# Allegro board FEMA_B40_V0P2.brd (continued)
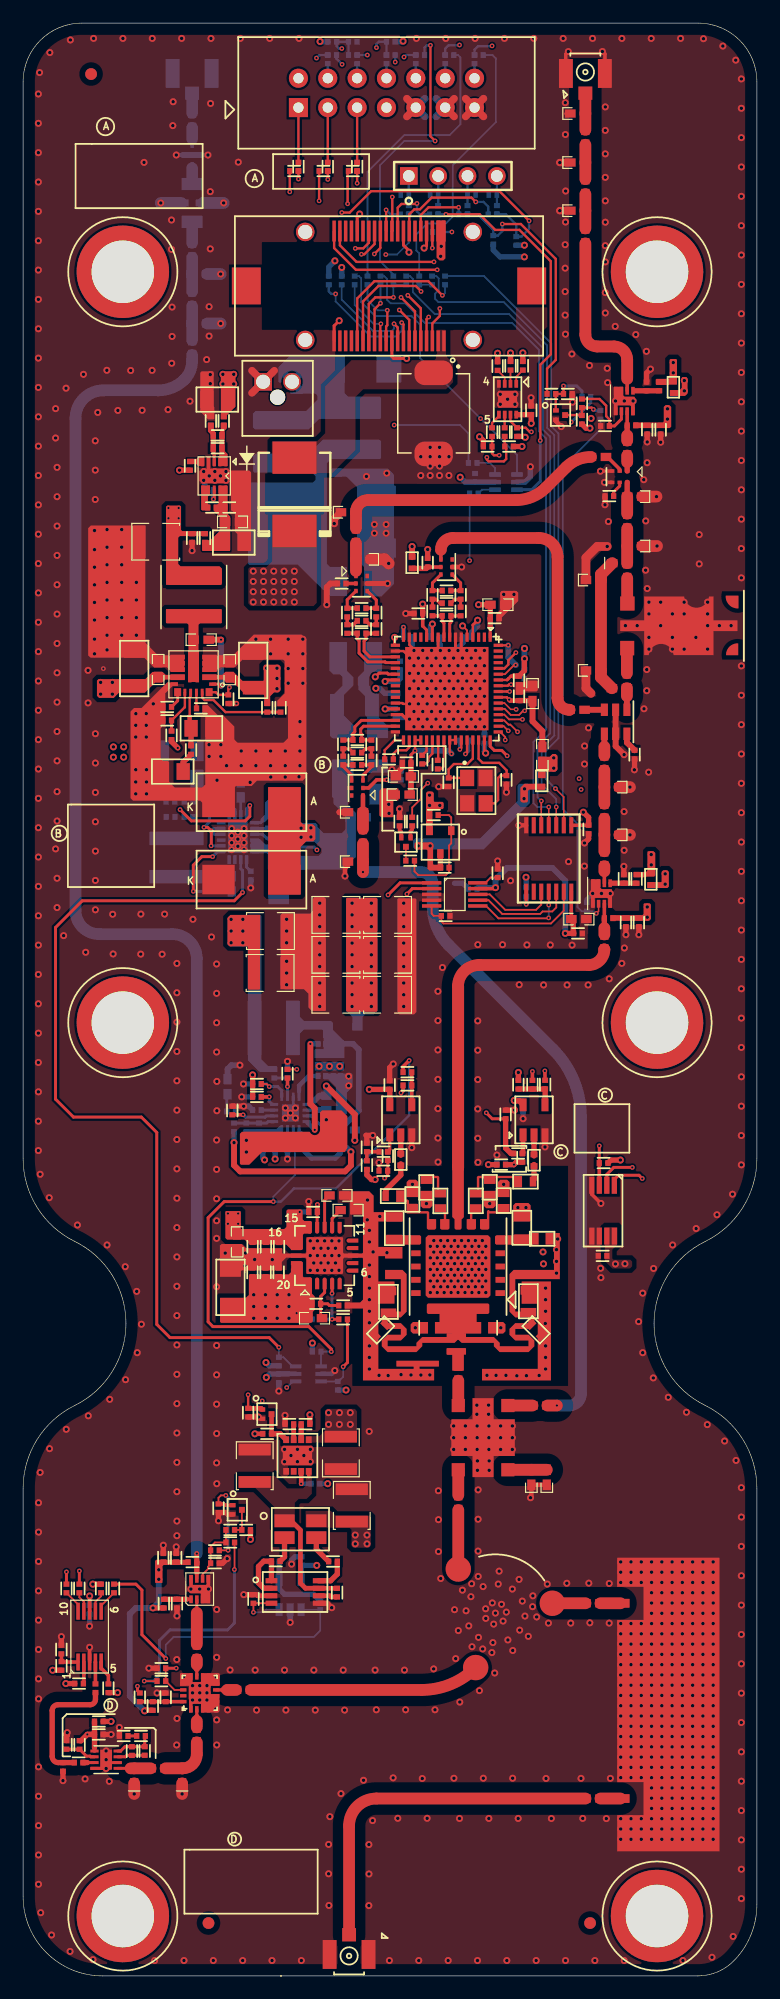
[diagram p0: board, top side]
## Routing (per net, layer and track width the routed paths; a pad name or vN(x,y) marks a point on that pad's centre or on a via; arc(x,y) is an arc through that point) (continued)
TX_DRI_EN: length 46.9
  TOP w0.127: v1(49.61,91.95) 49.8,92.15 U60.6
  BOTTOM w0.127: C68.1 49.42,92.14 v1(49.61,91.95)
  BOTTOM w0.152: C68.1 48.34,92.14 47.98,92.5 47.98,99.71 46.71,100.98 46.71,130.59 49.96,133.84 R40.2
TX_DRI_VBIAS: length 2.3
  TOP w0.305: U60.1 50.91,94.56
  TOP w0.457: 50.91,94.56 C64.1 R42.2
TX_DRIVER_IN: length 2.8
  TOP w1.016: C66.2 R51.2 R45.2
TX_DRIVER_IN_C: length 1.5
  TOP w0.305: 50.3,95.6 U60.2
  TOP w1.016: C66.1 50.3,95.6
TX_DRIVER_OUT: length 2.7
  TOP w0.305: U60.7 L6.2
  TOP w0.457: L6.2 50.3,90.67
  TOP w1.016: 50.3,90.67 C65.2
TX_PA_IN: length 30.2
  TOP w1.016: 50.28,88.83 C65.1 arc(49.91,87.88) 48.96,87.49 39.47,87.49 arc(38.18,86.95) 37.64,85.65
  TOP w1.04: 37.64,85.65 37.64,69.94
TX_PA_RFPAL_OUT: length 26.3
  TOP w0.305: 36.15,123.42 T1.1
  TOP w1.016: C69.1 47.26,109.57 arc(46.54,109.87) 46.25,110.59 46.25,122.83 arc(45.77,123.97) 44.63,124.44 37.17,124.44 arc(36.45,124.14) 36.15,123.42
TX_PA_RFPAL_OUT_C: length 1.7
  TOP w0.508: C69.2 U32.3
TX_PREDRI_OUT: length 2.5
  TOP w0.305: U28.7 L5.2
  TOP w0.457: L5.2 52.28,133.31
  TOP w1.016: 52.28,133.31 C57.1
TX_PREDRI_OUT_C: length 1.3
  TOP w0.457: 52.28,131.01 U29.1
  TOP w1.016: C57.2 52.28,131.01
TX_PREDRI_VBIAS: length 2.3
  TOP w0.254: U28.1 52.95,137.18
  TOP w0.457: R33.1 C54.1 52.95,137.18
TX_PREDRI_VOUT:
  vias: v2(55.76,135.62) v2(55.76,134.73) v2(56.26,139.62) v2(56.26,138.73)
TX_PREDRV_EN: length 6.2
  TOP w0.203: C60.1 50.73,134.71 50.46,134.99 50.46,135.89 49.88,136.47 R39.2
  TOP w0.254: C60.1 51.18,134.13 51.78,134.73 U28.6
TX_RF_ENB: length 22.7
  TOP w0.203: v1(41.47,151.61) 43.07,151.61 46.1,148.59 46.1,139.85 45.34,139.1 R354.1
  BOTTOM w0.203: v1(41.47,151.61) 41.47,151 41.08,150.61 R268.2 40.69,151.1 39.34,152.45 R362.2
TX_RFPAL_ENB: length 56
  TOP w0.152: R121.1 33.67,101.12 34.42,101.87 34.42,102.63 v1(35.02,103.22)
  TOP w0.203: J1.9 32.41,142.66 v1(32.1,142.98)
  L3-SIG1 w0.203: v1(32.1,142.98) 29.1,139.98 29.1,109.14 v1(35.02,103.22)
  BOTTOM w0.152: R267.2 27.57,145.07 30.27,142.37 31.9,142.37 32.1,142.57 v1(32.1,142.98)
VDS_PA1: length 0.8
  TOP w0.394: C82.1 37.08,55.34 C76.1
  vias: v2(28.74,38.15) v2(28.74,37.39) v2(29.76,38.15) v2(29.76,37.39) v2(46.16,62.85) v2(46.16,61.84) v2(46.16,60.82) v2(46.26,63.77)
VGS_CARR_FIXED: length 2.3
  TOP w0.457: R275.1 42.69,70.43 v1(42.48,70.22) 42.47,70.21 R271.2
  BOTTOM w0.457: v1(42.48,70.22) 42.47,70.21 R271.2
VGS_PEAK_FIXED: length 1.9
  TOP w0.305: R276.1 R274.1 29.75,70.55 R273.2
WP_CAL: length 28.4
  TOP w0.203: U79.7 42.18,134.55 R67.2 43.49,133.98 43.84,133.63 v1(43.98,133.63)
  L4-SIG2 w0.203: v1(37.1,150.93) 37.1,149.33 38.96,147.47 44.44,147.47 45.13,146.79 45.13,134.14 44.62,133.63 v1(43.98,133.63)
  BOTTOM w0.203: R156.1 v1(37.1,150.93)
N07470: length 2.8
  TOP w0.254: T3.1 28.8,121.59
  TOP w1.016: R116.1 R117.2 28.8,121.59
N07551: length 2.9
  TOP w0.394: R106.2 T2.1
  TOP w1.016: R105.1 R106.2
N23833: length 1.6
  TOP w0.26: R110.2 L8.1 29.63,106.2 C134.1
N23837: length 1.6
  TOP w0.26: R112.2 L12.1 28.2,106.2 28.54,105.87 C134.2
N23925: length 2.5
  TOP w0.26: C133.2 27.71,104.8 R112.1 27.7,104.65 28.43,103.92 T2.4
N23932: length 2.5
  TOP w0.26: T2.3 29.41,103.91 30.14,104.64 R110.1 29.3,104.81 C133.1
N24699: length 2.7
  TOP w0.26: R114.1 28.05,119.1 T3.3
  TOP w0.305: R114.1 28.05,118.37 C141.1
N24715: length 1.7
  TOP w0.305: R114.2 L14.1 28.58,116.94 C142.1
N24817: length 2.7
  TOP w0.26: R115.1 30.56,119.07 T3.4
  TOP w0.305: C141.2 30.56,118.37 R115.1
N24829: length 1.7
  TOP w0.305: R115.2 L16.1 30,116.94 C142.2
N25714: length 1.7
  TOP w0.26: C136.1 36.07,118.8 35.72,119.14 L9.1 R111.2
N25726: length 2.5
  TOP w0.26: C137.1 L9.2 35.42,120.55 T1.3
N25808: length 1.7
  TOP w0.26: R113.2 L13.1 37.36,119.14 C136.2
N25852: length 2.5
  TOP w0.26: C137.2 L13.2 37.86,120.55 T1.4
N26945: length 3.6
  TOP w0.305: v1(31.46,103.51) 30.6,103.51 29.89,102.81 T2.2
  BOTTOM w0.254: C138.1 v1(31.46,103.51)
N27022: length 0.9
  TOP w0.305: T3.2 C143.1
N27102: length 2.5
  TOP w0.305: C139.1 35.01,121.93 T1.2
  TOP w0.457: FB8.1 34.89,121.81 C139.1
N28007: length 10.4
  TOP w0.203: v1(37.07,105.77) 36.92,105.92 U19.41 U19.42 ; U19.36 U19.35 v1(33.92,106.03)
  TOP w0.254: v1(33.92,106.03) 33.56,105.67 C149.1
  TOP w0.457: C148.1 33.56,103.81 C149.1
  TOP w0.508: FB11.2 33.56,102.34 C148.1
  BOTTOM w0.508: v1(37.07,105.77) 36.81,106.03 v1(33.92,106.03)
N30087: length 25
  TOP w0.152: U19.59 41.7,112.65 42.5,113.45 v1(42.62,113.45)
  TOP w0.203: U19.64 v1(41.98,115.15) ; U19.55 41.86,110.65 v1(42.06,110.45)
  TOP w0.254: v1(41.89,105.59) 41.42,106.06 40.77,106.06 40.42,106.41 U19.48
  TOP w0.381: v1(42.06,110.45) 42.14,110.37 C158.1
  TOP w0.457: 43.93,110.32 43.89,110.37 C158.1
  TOP w0.508: 43.93,110.32 C157.1 44.08,108.58 44.94,107.73 FB12.2
  L3-SIG1 w0.508: v1(42.62,113.45) 43.55,112.53 43.55,110.9 43.1,110.45 v1(42.06,110.45) 40.94,109.32 40.94,106.16 41.5,105.59 v1(41.89,105.59)
  BOTTOM w0.508: v1(42.62,113.45) 42.62,113.46 41.98,114.1 v1(41.98,115.15)
N33948: length 2.7
  TOP w0.203: U19.34 33.41,106.95 33.41,106.32 33.17,106.07 32.35,106.07 32.04,105.76 C129.1
N33966: length 2.8
  TOP w0.203: C129.2 31.29,106.08 32.17,106.95 U19.33
N34028: length 2.6
  TOP w0.203: C130.1 34.81,104.88 35.07,105.14 35.07,105.44 35.42,105.79 U19.38
N34061: length 1.5
  TOP w0.203: U19.37 34.92,106.02 C130.2
N34239: length 2.9
  TOP w0.203: C132.1 36.16,104.45 36.42,104.71 U19.40
N34276: length 1.8
  TOP w0.203: U19.39 35.92,105.24 C132.2
N34612: length 1.6
  TOP w0.203: v1(37.79,106.15) 37.92,106.27 U19.43
  BOTTOM w0.305: v1(37.79,106.15) C135.2
N34630: length 2.5
  TOP w0.203: U19.44 38.42,105.89 v1(38.28,105.75)
  BOTTOM w0.305: v1(38.28,105.75) 38.54,106.01 C135.1
N36138: length 1.7
  TOP w0.254: U19.16 v1(32.92,116.71)
  BOTTOM w0.457: R109.1 32.91,116.71 v1(32.92,116.71)
N112138: length 2.6
  BOTTOM w0.254: R12.2 R10.2 21.08,98.44 20.72,98.8 U13.13
N112335: length 11.4
  TOP w0.254: v1(15.65,99.4) 15.98,99.4 v1(16.28,99.09) 16.28,97.82 v1(16.27,97.8)
  BOTTOM w0.254: 18.01,101.24 17.59,101.65 C18.1 16.64,101.99 16.12,101.46 16.12,99.86 v1(15.65,99.4) ; 18.01,101.24 17.83,101.07 U13.7 ; 18.01,101.24 18.05,101.2 18.08,101.2 18.33,100.95 U13.8 ; U13.5 16.5,99.3 v1(16.28,99.09) 16.57,98.8 U13.4 ; U13.2 v1(16.27,97.8)
N116565: length 1.2
  BOTTOM w0.254: R16.1 19.33,95.97 U13.17
N116705: length 1.5
  BOTTOM w0.254: 18.84,101.99 C19.1 U13.9
N116894: length 1.1
  BOTTOM w0.457: R17.2 C28.1
N116898: length 3.9
  BOTTOM w0.254: 20.78,100.04 20.55,99.8 U13.11
  BOTTOM w0.457: R17.1 21.77,102.04 21.15,101.43 C20.1 20.78,100.04
N120203: length 8.5
  TOP w0.254: v1(14.73,93.86) 14.73,96.13 15.46,96.86 v1(16.4,96.86)
  BOTTOM w0.254: U13.1 16.84,97.3 v1(16.4,96.86) ; C13.1 v1(14.73,93.86)
N123407: length 1.1
  BOTTOM w0.254: U13.12 21.14,99.3 R15.1
N123470: length 8.5
  TOP w0.254: v1(19.62,101.29) 19.62,100.35 19.23,99.96 14.56,99.96 v1(13.58,100.93)
  BOTTOM w0.254: U13.10 19.33,101.01 v1(19.62,101.29)
N170609: length 3.5
  TOP w0.305: R18.2 v1(22.88,76.96)
  BOTTOM w0.254: U1.10 v1(22.88,76.96) R18.2 R19.1
N170847: length 3.7
  BOTTOM w0.254: C43.1 D2.K 26.14,73.22 24.93,74.43 U1.15
N170891: length 9.3
  TOP w0.508: v1(25.24,73.22) 25.24,75.08 24.86,75.46 v1(24.86,80.66)
  BOTTOM w0.254: U1.16 24.63,73.83
  BOTTOM w0.381: 24.63,73.83 24.63,73.83 v1(25.24,73.22)
  BOTTOM w0.457: v1(24.86,80.66) Q1.1
N170899: length 32.7
  TOP w0.508: v2(18.25,72.11) 18.25,70.16 18.79,69.62 27.86,69.62 28.37,70.13 v2(28.37,71.32)
  BOTTOM w0.254: U1.1 23.88,73.1 24.1,72.88
  BOTTOM w0.457: 24.1,72.88 24.1,71.64 24.96,70.78 27.02,70.78 27.44,71.2 C43.2 28.03,71.65 v2(28.37,71.32) ; R30.2 v2(18.25,72.11)
  BOTTOM w0.508: Q1.4 28.55,80.66 29.05,80.16 29.05,74.88 27.44,73.27 C43.2
N171033: length 2.3
  TOP w0.305: R24.2 v1(21.3,76.07)
  BOTTOM w0.254: R24.2 v1(21.3,76.07) 21.3,75.68 21.55,75.43 U1.8
N171199: length 3
  BOTTOM w0.254: 23.88,76.56 U1.12
  BOTTOM w0.381: Q1.8 24.72,77.88 23.88,77.04 23.88,76.56
N171345: length 1.1
  BOTTOM w0.254: U1.7 20.61,74.93 C49.1
N171439: length 4.5
  TOP w0.305: C50.1 v1(19.04,74.52)
  BOTTOM w0.254: U1.6 21.05,74.43 20.94,74.31 19.25,74.31 v1(19.04,74.52) 18.65,74.52 R28.1
N171447: length 3.5
  BOTTOM w0.254: U1.5 21.2,73.93 21.08,73.81 C51.2 R29.2 R30.1
N171517: length 3.2
  BOTTOM w0.254: U1.3 22.88,72.21 R32.1 R31.1 C53.1
N171733: length 1.5
  BOTTOM w0.254: R28.2 17.62,76.24 C52.1
N195056: length 1.3
  TOP w0.457: U71.2 R123.2
N195132: length 1.9
  TOP w0.394: U71.7 v1(24.06,42.6)
  BOTTOM w0.394: R124.2 v1(24.06,42.6)
N195275: length 1.3
  TOP w0.406: U71.3 R128.1
N195418: length 10.2
  TOP w0.305: 24.71,43.21 U71.8
  TOP w0.394: U72.7 27.17,33.55 C166.2
  TOP w0.406: 22.62,39.52 22.85,39.29 23.29,39.29 24,38.58 24,33.99 24.43,33.55 U72.7
N195715: length 3.2
  TOP w0.394: Q6.3 21.5,46.92 R129.2
  TOP w0.457: R129.2 22.25,46.91 U71.4 22.75,46.4
N195937: length 5.7
  TOP w0.457: U72.1 R126.2 20.83,35.89 20.37,35.43 20.37,34.01 20.83,33.55 U72.2
N195969: length 2.9
  TOP w0.457: R127.2 27.19,34.78 26.62,34.2 U72.8
N196453: length 1.6
  TOP w0.394: U72.6 26.55,32.9 26.65,32.8 C166.1
N196880: length 4.7
  TOP w0.152: U72.4 19.93,32.25 R132.1 v1(19.93,31.47)
  BOTTOM w0.152: v1(19.93,31.47) 20.8,31.47 21.03,31.69 U73.3
N202980: length 6.4
  BOTTOM w0.457: R133.1 U73.4 22.16,33.48 22.62,33.02 25.14,33.02 R130.1
N205704: length 1.9
  TOP w0.152: U74.10 40,94.6 40.46,95.05 C169.1
N273978: length 8.8
  TOP w0.203: U27.3 40.81,101.48 41.1,101.77 41.1,103.68 41.31,103.88 C144.2 41.84,103.9 41.84,104.33 41.2,104.98 39.77,104.98 39.42,105.33 U19.46
N274053: length 6.4
  TOP w0.203: U27.1 38.42,103.68 C140.2 36.82,104.42 37.28,104.88 38.44,104.88 38.92,105.36 U19.45
N282364: length 1.2
  TOP w0.127: R120.1 33.13,96.52 Q5.3 33.13,97.73
N282416: length 1.1
  TOP w0.305: Q5.2 32.73,99 32.58,99.15 R122.2
N283217: length 1.1
  TOP w0.305: R121.2 33.67,99.21 33.52,99.06 33.52,98.53 Q5.1
N283375: length 10.2
  TOP w0.152: R120.2 33.87,95.59 34.2,95.26 36.57,95.26 36.86,95.54 C151.1 36.86,97.82 37.05,98.01 Q4.1 37.05,100.26 36.84,100.46 R119.2
N5466295: length 2.4
  TOP w0.305: 14.14,32.59 U21.1
  TOP w0.457: 14.14,32.59 C123.1 R159.2
N5466645: length 1.7
  BOTTOM w1.016: CON4.1 C124.1
N5466649: length 1.5
  BOTTOM w0.305: 14.63,158.99 D5.3 14.63,158.46
  BOTTOM w1.016: 14.63,158.99 C124.2
N5466653: length 1.6
  BOTTOM w0.305: 14.63,156.43 D5.1 14.63,156.71
  BOTTOM w1.016: 14.63,156.43 U89.3
N5466657: length 2.9
  BOTTOM w1.016: C125.2 R101.2 R99.1
N5466735: length 3.9
  TOP w0.254: 15.03,31.41 U21.2
  TOP w1.016: C127.1 15.03,31.41
N5466939: length 2.4
  TOP w0.152: R103.1 R100.2 18.93,38.6 Q3.3
N5467666: length 4.4
  TOP w1.016: R85.2 R88.2 13.8,17.96 arc(14.67,18.32) 15.03,19.2 C104.1
N5467670: length 1.6
  TOP w0.254: U22.2 15.03,22.47
  TOP w0.394: 15.03,22.47 15.03,22.41
  TOP w0.457: 15.03,22.41 15.03,22.06
  TOP w1.016: 15.03,22.06 C104.2
N5467824: length 1.7
  TOP w0.254: U22.7 17.27,24.75
  TOP w0.457: 17.27,24.75 17.66,24.75
  TOP w1.016: 17.66,24.75 C109.1
N5527142: length 2.8
  TOP w0.254: U88.1 9.31,17.96
  TOP w1.016: R85.1 R86.2 9.31,17.96
N5527732: length 5.1
  TOP w1.016: C77.2 U3.1
N5527740: length 1.7
  TOP w1.016: FL1.IN C80.2
N5527744: length 1.7
  TOP w1.016: C81.1 FL1.OUT
N5527748: length 31.2
  TOP w1.016: CON3.1 28.21,12.99 arc(28.9,14.66) 30.57,15.35 C81.2
N5534734: length 3.8
  TOP w0.203: Q2.3 48.33,135.08 R38.2 R39.1 49.2,135.72 v1(49.35,135.57)
  TOP w0.254: 46.9,135.08 Q2.3
  BOTTOM w0.254: R40.1 49.47,135.47 49.36,135.57 v1(49.35,135.57)
N5534850: length 5.1
  TOP w0.203: Q2.1 46.09,135.49 R354.2 R41.1 v1(46.77,137.6)
  BOTTOM w0.254: v1(46.77,137.6) 47.91,137.6 48.37,137.15 R353.2
N5535716: length 1.7
  TOP w0.508: U32.6 52.25,106.74 R53.1
N5569429: length 1.9
  TOP w0.305: R63.2 5.26,25.34 5.26,26.14 5.26,26.14 U78.2
N5569457: length 2.1
  TOP w0.305: U78.1 4.18,27.16 3.36,27.16 R64.2 3.32,27.86 R72.1
N5569477: length 1.8
  TOP w0.152: U78.7 6.26,32.37 6.75,32.86 R66.2
N5569577: length 1.9
  TOP w0.305: R74.2 6.26,25.28 U78.4
N5569703: length 2
  TOP w0.152: R78.2 6.76,32.05 U78.6
N5569707: length 2.6
  TOP w0.152: U78.9 5.26,32.37 ; 5.26,32.37 5.26,32.37 5.26,31.56 ; 5.26,32.37 4.87,32.76 R79.1
N5569753: length 2.6
  TOP w0.152: U78.10 4.76,32.15 ; 4.76,32.15 R80.1 ; 4.76,32.15 4.76,32.15 4.76,31.56
N5570637: length 1.4
  TOP w0.152: R73.2 41.68,138.33 U79.3
N5570641: length 1.2
  TOP w0.152: U79.2 42.18,138.97 R68.2
N5570645: length 1.4
  TOP w0.152: U79.1 42.68,138.4 R69.2
N5570737: length 1.1
  TOP w0.203: U79.6 R76.1
N5570789: length 1.4
  TOP w0.203: U79.5 41.18,134.99 40.58,134.4 R77.1
N5619353: length 5.9
  TOP w0.254: v1(17.13,111.62) 16.96,111.79 U47.1
  TOP w0.508: C226.1 17.13,115.64 v1(17.13,115.64)
  BOTTOM w0.508: v1(17.13,111.62) v1(17.13,115.64)
N5619493: length 7.8
  TOP w0.203: U47.17 15.5,110.62 15.7,110.42 16.47,110.42 17.52,109.37 21.08,109.37
  TOP w0.254: 21.08,109.37 R208.2 R211.1
N5619565: length 3.8
  TOP w0.203: U47.14 14,109.8 13.99,109.8 R213.1
  TOP w0.254: R209.2 R213.1
N5619597: length 1.4
  TOP w0.203: U47.16 15,109.71 C228.1
N5619609: length 1.5
  TOP w0.254: U47.13 13.37,110.35 R212.1
N5619663: length 4.7
  TOP w0.203: 14.41,108.99 14.41,110.63 14.5,110.72 U47.15
  TOP w0.381: C229.1 14.41,108.09 14.41,108.99
  TOP w0.457: R214.1 C229.1
N5619881: length 2.6
  TOP w0.381: 13.85,105.03 13.85,105.03 13.85,104.23
  TOP w0.457: R214.2 13.85,105.03 C230.1
N5628772: length 4.9
  TOP w0.254: R216.2 25.74,57.04 C235.2 ; R216.2 26.36,58.17 26.51,58.02 R218.1 ; R216.2 25.74,58.8 26.09,59.14 U48.3 26.11,59.91
N5628870: length 1.8
  TOP w0.254: C241.1 26.74,65.54 U48.12
N5628894: length 3
  TOP w0.254: U48.13 26.09,67.13 C240.1
N5630913: length 1.7
  TOP w0.254: v1(16.47,127.8) 16.54,127.87 U10.8
  BOTTOM w0.457: C248.1 v1(16.47,127.8)
N5656059: length 1.6
  TOP w0.394: R351.2 43.26,71.23 U85.1
N5656293: length 3.7
  TOP w0.457: U85.4 45.18,75.4 R296.2 45.17,76.75 R277.2 R98.2
N5656421: length 1.8
  TOP w0.457: U85.2 FB14.1 44.21,70.97
N5656519: length 1.5
  TOP w0.254: U86.1 31.73,71.5 R276.2
N5656779: length 2.8
  TOP w0.305: R278.2 33.63,78.21 R298.2 33.63,77.07 U86.4
N5656827: length 1.8
  TOP w0.457: U86.2 FB15.1 32.68,71.02
N5657799: length 1.8
  TOP w0.254: U84.8 v1(43.54,92.75)
  BOTTOM w0.457: R264.2 v1(43.54,92.75)
N5659250: length 2.9
  TOP w0.203: v1(35.41,149.53) J1.23
  BOTTOM w0.203: R156.2 35.41,150.91 v1(35.41,149.53)
N5659518: length 6.1
  TOP w0.203: v1(31.52,144.15) 31.52,142.85 31.41,142.75 J1.11
  BOTTOM w0.152: R190.2 29.81,145.02 30.68,144.15 v1(31.52,144.15)
N5659570: length 6.2
  TOP w0.203: v1(30.96,142.98) 30.91,142.93 J1.12
  BOTTOM w0.152: R189.2 28.69,144.61 30.32,142.98 v1(30.96,142.98)
N5659622: length 5.1
  TOP w0.203: J1.13 30.41,144.24 v1(30.92,144.75)
  BOTTOM w0.152: v1(30.92,144.75) R191.2
N5659674: length 7.8
  TOP w0.203: v1(32.04,145.26) 30.47,145.26 29.91,144.7 J1.14
  BOTTOM w0.152: v1(32.04,145.26) R186.2 R188.2
N5659690: length 11
  TOP w0.203: v1(34.44,145.78) 34.44,145.8 33.98,146.25 30.75,146.25 29.41,144.91 J1.15
  BOTTOM w0.152: v1(34.44,145.78) 34.44,145.8 34.28,145.96 R185.2 R187.2
N5659746: length 13.2
  TOP w0.203: J1.16 28.91,145.18 30.4,146.66 35.07,146.66 v1(36.28,145.44)
  BOTTOM w0.152: v1(36.28,145.44) 36.32,145.44 36.51,145.64 R270.2
N5668177: length 5.7
  TOP w0.203: v1(34.08,153.39) 34.04,153.35 32.74,153.35 32.41,153.02 J1.29
  BOTTOM w0.203: R302.2 34.33,152.45 34.08,152.71 v1(34.08,153.39)
N5793731: length 1.6
  BOTTOM w0.152: U87.4 39.71,128.62 R304.2
N5793842: length 2.3
  BOTTOM w0.152: R305.2 40.39,130.94 40.84,130.49 U87.6
N5811222: length 2.7
  TOP w0.254: R308.2 3.76,19.61 R307.1 5.48,19.02 5.79,19.02 5.85,18.96 U88.6
N5811230: length 2.4
  TOP w0.254: U88.3 8.86,18.96 8.99,19.09 9.41,19.09 C258.2 9.43,19.09 C259.2
N5811336: length 3.4
  TOP w0.254: R309.1 10.52,20.71 C259.1 10.51,19.83 C258.1 9.41,19.84 8.81,19.84 8.44,19.46 U88.4
N5811416: length 0.8
  TOP w0.254: R309.2 9.83,20.77 C260.2
N5821082: length 4.7
  TOP w0.203: R261.2 J3.1
N5821170: length 4.7
  TOP w0.203: R262.2 J3.3
N5821174: length 1.3
  BOTTOM w0.203: R242.2 J3.4
N5821242: length 4.7
  TOP w0.203: J3.5 R263.2
N5821246: length 1.3
  BOTTOM w0.203: R255.1 J3.6
N5821286: length 1.3
  BOTTOM w0.203: R257.1 J3.8
N5821330: length 1.3
  BOTTOM w0.203: R258.1 J3.10
N5821374: length 1.3
  BOTTOM w0.203: R259.1 J3.12
N5821418: length 1.3
  BOTTOM w0.203: R260.1 J3.14
N5837336: length 2.2
  TOP w0.305: R352.2 7.38,26.01 6.76,26.63 U78.5
N5845175: length 5.6
  TOP w0.203: J1.25 34.41,152.39 35.09,153.06 v1(37.69,153.06)
  BOTTOM w0.203: v1(37.69,153.06) 37.71,153.04 R357.2
N5845225: length 9.9
  TOP w0.203: J1.27 33.41,152.44 33.85,152.88 34.34,152.88 35.35,153.9 38.8,153.9 v1(39.17,153.53)
  BOTTOM w0.203: R358.2 40.25,153.12 39.84,153.53 v1(39.17,153.53)
N5845299: length 3.2
  TOP w0.203: v1(31.41,152.83) J1.31
  BOTTOM w0.203: v1(31.41,152.83) 31.8,152.45 32.63,152.45 R359.2
N5845412: length 2.6
  BOTTOM w0.203: J4.2 D14.1 R361.1
N5845526: length 2.6
  BOTTOM w0.203: R360.1 D15.1 J4.1
N5845531: length 2.6
  BOTTOM w0.203: R362.1 D13.1 J4.3
N5845540: length 2.6
  BOTTOM w0.203: R363.1 D12.1 J4.4
N5888842: length 1.8
  BOTTOM w1.016: C125.1 U89.1
N5947085: length 3.4
  TOP w1.016: U4.4 R58.1 R59.1
N5947309: length 2.1
  TOP w1.016: U4.3 C278.1
N6014828: length 2.2
  TOP w0.457: R126.1 22.62,36.27 R125.4
N6014849: length 2.5
  TOP w0.457: R125.3 25.37,36.93 R127.1

## Copper pours and planes (outline as drawn; the poured copper is in the pictures)
GND on TOP (solid shape): 34.19,68.7 34.19,67.4 33.19,67.4 33.19,68.7 33.39,68.9 33.99,68.9
GND on TOP (solid shape): 35.04,55.59 33.74,55.59 33.54,55.79 33.54,56.39 33.74,56.59 35.04,56.59
GND on TOP (solid shape): 35.4,66.64 35.2,66.44 34.6,66.44 34.4,66.64 34.4,67.94 35.4,67.94
GND on TOP (solid shape): 40.88,66.64 40.68,66.44 40.08,66.44 39.88,66.64 39.88,67.94 40.88,67.94
GND on TOP (solid shape): 41.74,56.39 41.74,55.79 41.54,55.59 40.24,55.59 40.24,56.59 41.54,56.59
GND on TOP (solid shape): 42.09,68.7 42.09,67.4 41.09,67.4 41.09,68.7 41.29,68.9 41.89,68.9
GND on TOP (solid shape): 43.92,66.69 43.92,65.29 42.42,65.29 42.42,66.69 42.62,66.89 43.72,66.89
GND on TOP (solid shape): 40.44,63.89 40.44,58.89 40.24,58.69 35.04,58.69 34.84,58.89 34.84,63.89 35.04,64.09 40.24,64.09
GND on TOP (solid shape): 16.49,138.81 16.49,135.81 16.55,135.75 16.55,134.77 16.5,134.72 15.99,134.72 15.33,135.38 15.33,138.76 15.43,138.86 16.44,138.86
GND on TOP (solid shape): 45.68,51.54 39.71,51.54 39.71,52.54 44.54,52.54 44.54,58.18 44.47,58.18 44.47,58.18 43.17,58.18 43.14,58.15 43.14,60.09 45.68,60.09
GND on TOP (solid shape): 60.27,10.78 51.42,10.78 51.41,10.79 51.41,13.91 53.69,13.91 53.69,16.77 51.41,16.77 51.41,30.81 53.69,30.81 53.69,33.67 51.41,33.67 51.41,36.19 60.27,36.19
GND on TOP (solid shape): 10.58,125.49 10.58,115.38 11.67,114.29 13.94,114.29 13.95,114.29 13.95,112.9 13.94,112.89 12.79,112.89 12.44,113.24 11.32,113.24 10.48,114.09 5.82,114.09 5.63,114.28 5.63,125.29 5.86,125.52 10.56,125.52
GND on TOP (solid shape): 7.59,19.47 7.59,18.66 7.66,18.59 8.5,18.59 8.52,18.57 8.52,18.35 8.5,18.33 7.63,18.33 7.58,18.29 7.58,17.96 7.44,17.82 5.85,17.82 5.82,17.85 5.82,18.06 5.85,18.1 6.71,18.1 6.79,18.18 6.79,19.44 6.86,19.51 7.54,19.51
GND on TOP (solid shape): 49.95,94.88 49.95,94.17 50.08,94.04 50.93,94.04 50.96,94.01 50.96,92.46 50.94,92.44 50.66,92.44 50.63,92.46 50.63,93.22 50.56,93.3 49.49,93.3 49.47,93.28 49.47,92.47 49.44,92.44 49.16,92.44 49.14,92.47 49.14,94.88 49.16,94.91 49.93,94.91
GND on TOP (solid shape): 51.93,137.5 51.93,136.79 52.05,136.67 52.91,136.67 52.94,136.63 52.94,135.08 52.91,135.06 52.63,135.06 52.61,135.08 52.61,135.85 52.53,135.92 51.46,135.92 51.44,135.9 51.44,135.09 51.42,135.06 51.14,135.06 51.11,135.09 51.11,137.5 51.14,137.53 51.9,137.53
GND on TOP (solid shape): 16.19,34.69 16.19,32.26 16.17,32.24 15.39,32.24 15.38,32.26 15.38,33.07 15.33,33.12 14.45,33.12 14.38,33.2 14.38,34.69 14.39,34.7 14.68,34.7 14.68,34.7 14.68,33.86 14.71,33.84 15.82,33.84 15.88,33.89 15.88,34.7 15.89,34.71 16.18,34.71
GND on TOP (solid shape): 16.2,131.45 16.2,130.38 16.3,130.28 19.57,130.28 19.73,130.12 19.73,123.34 19.7,123.32 18.63,123.32 18.56,123.39 18.56,124.77 18.33,124.99 18.33,126.54 18,126.87 18,129.21 17.87,129.34 15.28,129.34 15.26,129.36 15.26,130.25 15.28,130.28 15.84,130.28 15.89,130.33 15.89,131.45 15.92,131.47 16.17,131.47
GND on TOP (solid shape): 32.87,65.29 30.74,65.29 30.74,63.09 32.82,63.09 32.82,62.09 31.32,62.09 31.32,62.29 30.74,62.29 30.74,60.09 32.14,60.09 32.14,58.18 30.74,58.18 30.74,52.54 33.79,52.54 33.8,52.54 33.8,52.73 33.8,52.74 32.31,52.74 32.31,53.24 35.98,53.24 35.98,52.74 34.3,52.74 34.3,52.54 35.57,52.54 35.57,51.54 29.41,51.54 29.41,66.09 32.87,66.09
GND on TOP (solid shape): 14.67,26.17 14.67,25.46 14.71,25.42 15.34,25.42 15.39,25.48 15.39,26.18 15.41,26.19 16.96,26.19 17.01,26.14 17.01,25.13 16.99,25.11 16.26,25.11 16.21,25.05 16.21,24.44 16.26,24.39 16.96,24.39 16.99,24.36 16.99,22.89 16.89,22.79 15.44,22.79 15.39,22.84 15.39,23.54 15.37,23.57 14.71,23.57 14.67,23.53 14.67,22.83 14.63,22.8 14.37,22.8 14.36,22.81 14.36,25.06 14.31,25.11 13.61,25.11 13.58,25.13 13.58,26.15 13.63,26.2 14.64,26.2
GND on TOP (solid shape): 57.22,119.25 57.31,119 57.46,118.78 57.65,118.6 57.89,118.48 58.14,118.41 58.41,118.41 58.67,118.48 58.9,118.6 59.1,118.78 59.24,119 59.33,119.25 59.35,119.38 59.74,119.38 59.74,117.31 61.83,117.31 61.83,116.38 59.74,116.38 59.74,114.3 56.29,114.3 56.27,114.43 56.18,114.68 56.04,114.9 55.84,115.08 55.61,115.21 55.35,115.27 55.08,115.27 54.83,115.21 54.59,115.08 54.4,114.9 54.25,114.68 54.16,114.43 54.14,114.3 53.75,114.3 53.75,116.38 51.67,116.38 51.67,117.31 53.75,117.31 53.75,119.38 57.2,119.38
GND on TOP (solid shape): 30.33,67.52 30.33,58.12 29.98,57.76 27.87,57.76 27.84,57.78 27.84,58.25 27.87,58.27 29.16,58.27 29.42,58.53 29.42,62.08 29.34,62.16 27.79,62.16 27.69,62.06 27.69,60.89 27.57,60.76 24.62,60.76 24.54,60.84 24.54,62.06 24.44,62.16 22.76,62.16 22.39,61.78 22.39,61.07 22.38,61.06 18.92,61.06 18.79,60.93 18.79,60.52 18.78,60.51 17.05,60.51 17.03,60.53 17.03,63.2 17.17,63.34 18.9,63.34 19.28,62.97 22.41,62.97 22.42,62.96 22.42,62.55 22.45,62.52 24.47,62.52 24.54,62.59 24.54,63.81 24.64,63.91 27.62,63.91 27.69,63.84 27.69,62.59 27.77,62.52 29.34,62.52 29.42,62.59 29.42,65.79 29.32,65.89 28.32,65.89 28.3,65.92 28.3,67.07 28.18,67.19 27.44,67.19 27.33,67.29 27.33,67.84 27.39,67.9 29.95,67.9
GND on TOP (solid shape): 24.52,115.67 24.52,103.76 24.19,103.44 20.24,103.44 19.78,102.98 18.42,102.98 18.32,102.88 18.32,100.32 18.29,100.29 15.52,100.29 15.51,100.29 15.51,101.53 15.33,101.71 9.51,101.71 9.29,101.93 9.29,109.42 9.6,109.73 10.26,109.73 12.47,111.94 13.36,111.94 13.39,111.91 13.39,111.65 13.39,111.64 12.94,111.64 12.31,111.01 12.31,108.37 11.9,107.97 11.9,105.38 12.13,105.15 12.53,105.15 12.63,105.05 12.63,103.33 13.12,102.85 15.5,102.85 15.76,103.11 15.76,108.93 15.53,109.17 15.53,109.92 15.56,109.95 16,109.95 16.86,109.1 17.3,109.1 18.28,108.12 18.28,107 18.56,106.72 22.53,106.72 22.53,106.73 22.92,107.12 22.92,109.87 22.89,109.89 22.04,109.89 22.01,109.92 22.01,110.37 22.63,110.99 22.63,113.79 22.5,113.91 18.99,113.91 18.33,113.25 17.06,113.25 16.7,112.89 15.55,112.89 15.54,112.9 15.54,114.29 15.55,114.29 18.18,114.29 19.96,116.08 24.11,116.08
GND on BOTTOM (solid shape): 28.34,78.16 28.36,78.15 28.38,78.14 28.5,78.02 28.51,78 28.51,77.98 28.51,76.96 28.51,76.94 28.5,76.92 28.02,76.44 28.01,76.43 28.01,76.41 28.01,74.62 28,74.6 27.99,74.59 27.97,74.56 27.95,74.55 27.93,74.55 27.1,74.55 27.07,74.58 27.07,74.6 27.07,76.92 27.06,76.94 27.05,76.95 26.42,77.58 26.4,77.59 26.39,77.6 26.04,77.6 26.01,77.61 26.01,78.04 26.03,78.08 26.06,78.09 27.97,78.09 28.01,78.11 28.02,78.15 28.02,78.16
GND on TOP: 40.99,138.1 40.99,135.81 41.09,135.71 42.71,135.71 42.79,135.79 42.79,137.13 42.74,137.19 41.42,137.19 41.34,137.26 41.34,138.1 41.32,138.13 41.01,138.13
GND on TOP: 48.95,63.33 48.95,64.75 48.97,64.78 49.96,64.78 50.04,64.7 50.04,61.65 50.46,61.22 50.46,60.2 50.39,60.12 49.47,60.12 49.38,60.21 49.38,62.9
GND on TOP: 37.03,132.57 34.49,132.57 33.95,132.03 33.95,129.29 34.11,129.13 37.21,129.13 37.31,129.24 37.31,132.29
GND on TOP: 18.63,46.08 21.5,46.08 21.73,45.85 24.96,45.85 25.01,45.8 25.01,44.7 24.86,44.55 23.46,44.55 23.03,44.12 23.03,43.36 22.98,43.31 22.52,43.31 22.44,43.39 22.44,45.01 22.42,45.03 18.63,45.03 18.61,45.06 18.61,46.05
GND on BOTTOM: 16.76,99.65 17.69,99.65 17.77,99.56 17.77,97.6 18.04,97.32 19.22,97.32 19.37,97.48 19.37,99.74 19.16,99.96 16.76,99.96 16.74,99.94 16.74,99.67
GND on BOTTOM: 29.96,101.36 29.96,103.66 29.76,103.86 29.76,105.26 29.78,105.28 31.51,105.28 31.59,105.21 31.59,104.14 31.13,103.68 31.13,99.85 30.23,98.95 30.23,98.46 30.29,98.4 30.9,98.4 31.04,98.26 31.04,97.17 30.87,97 29.54,97 29.41,97.14 29.41,99.46 29.21,99.66 29.21,100.61
